# KiCad board smoothiev2-prime.kicad_pcb (continued)
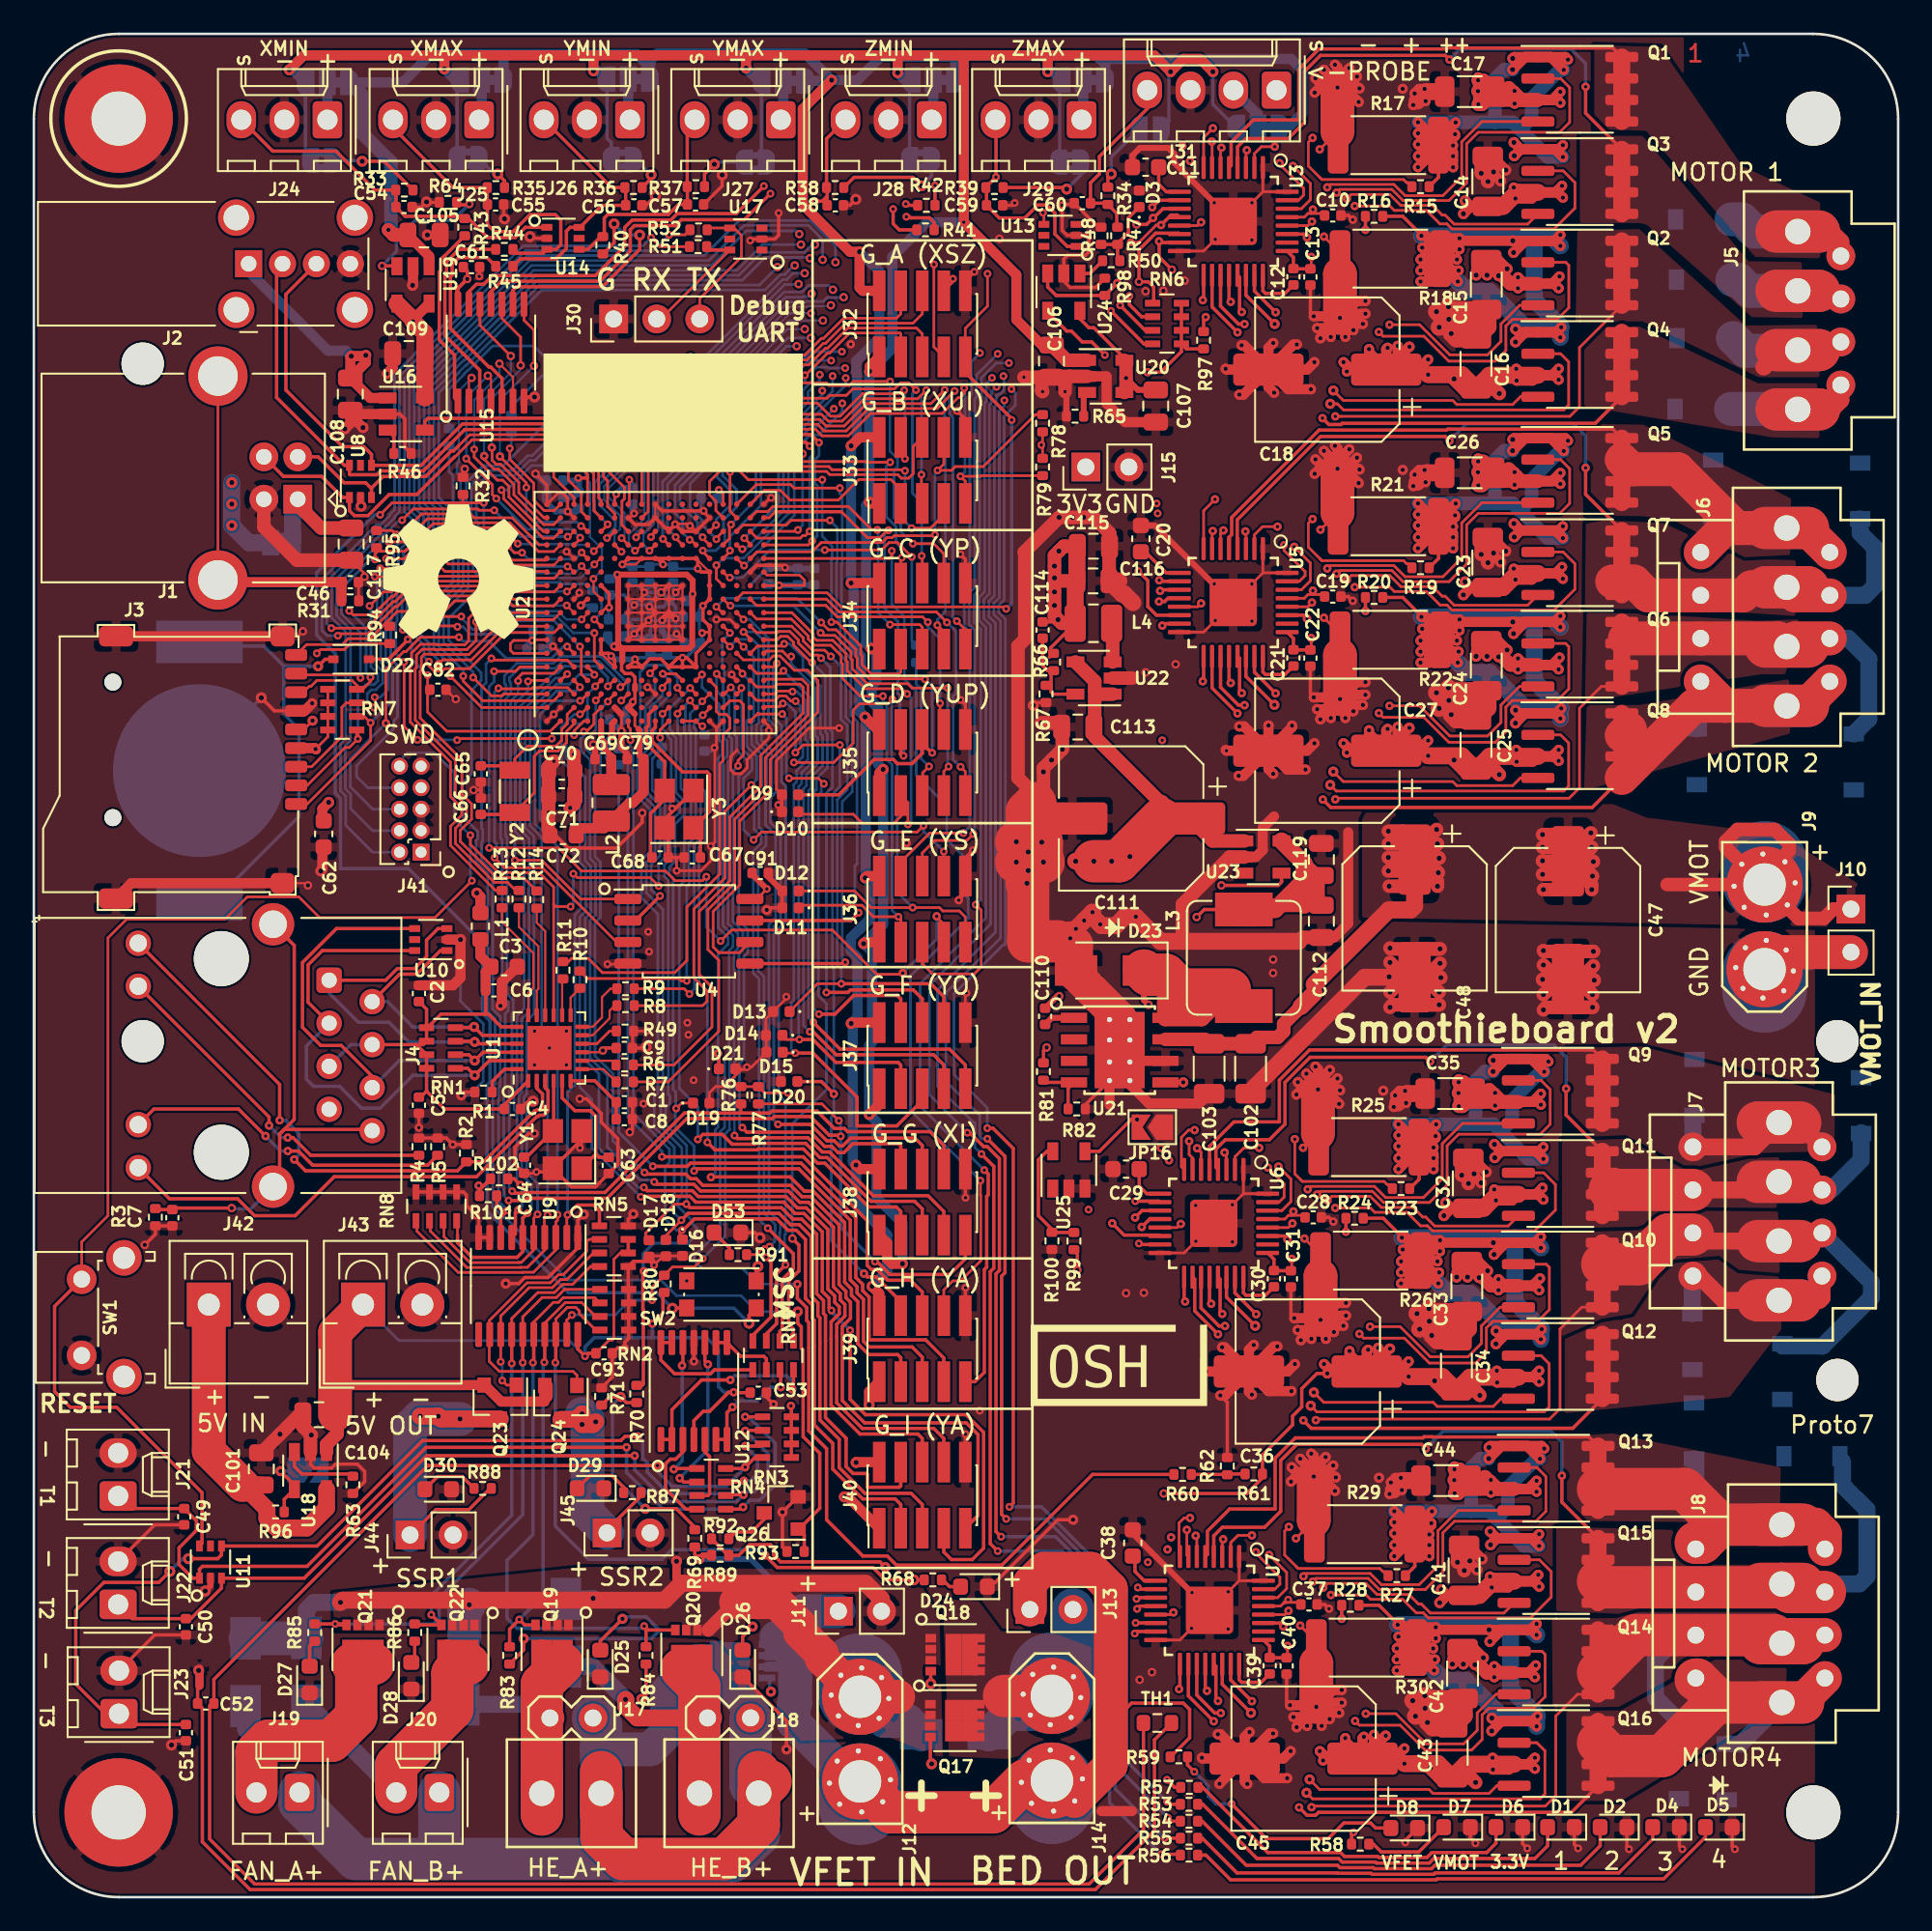
[diagram p0: board, top side]
## Routing (per net, layer and track width the routed paths; a pad name or vN(x,y) marks a point on that pad's centre or on a via; arc(x,y) is an arc through that point) (continued)
Net-(C20-Pad1): length 2.8
  Top w0.2: U5.9 66.82,78.18 65.58,79.42 C20.1
Net-(C22-Pad2): length 3
  Top w0.2: U5.24 72.52,72.33 72.67,72.18 73.82,72.18 C22.2
Net-(C29-Pad1): length 2.4
  Top w0.2: C29.1 65.22,41.98 65.67,41.53 U6.9
Net-(C31-Pad2): length 3
  Top w0.2: U6.24 71.37,35.68 71.52,35.53 72.67,35.53 C31.2
Net-(C38-Pad1): length 2.4
  Top w0.2: U7.9 65.51,18.68 64.97,19.22 64.97,20.13
Net-(C40-Pad2): length 3
  Top w0.2: U7.24 71.12,12.83 71.27,12.68 72.42,12.68 C40.2
Net-(C46-Pad1): length 45.6
  Top w0.16: J1.5 J1.5
  Top w0.6: J1.5 10.99,77.63 C46.1 18.15,77.59 R31.1
  In1.Cu w0.2: 19.29,99.15 12.29,99.15 10.92,97.78 10.92,95.08 12.29,93.71 12.29,91.23 J1.5
  In2.Cu w0.2: 19.29,93.71 12.29,93.71
Net-(C49-Pad1): length 57.2
  Top w0.2: v3(41.97,28.36) 42.99,28.36 ; v3(34.97,26.56) 23.14,26.56 16.12,19.53 9.95,19.53 9.77,19.35 U11.1 9.37,18.83 8.56,19.64 8.56,20.62 9.59,21.65 9.59,22.22 C49.1 5.71,22.94 J21.1 ; RN4.1 41.72,22.91 v3(41.85,23.03)
  Bottom w0.2: v3(41.97,28.36) 42.17,28.36 43.74,26.78 43.74,24.36 42.82,23.43 42.24,23.43 v3(41.85,23.03) 41.72,22.91 37.14,22.91 34.97,25.07 v3(34.97,26.56)
Net-(C50-Pad1): length 50.7
  Top w0.2: v3(41.87,23.75) 40.87,23.75 RN4.2 ; 42.99,27.56 41.99,27.56 v3(41.97,27.53) ; J22.1 5.81,16.44 C50.1 9.26,16.44 11.07,18.25 U11.3 15.95,18.83 23.18,26.06 v3(35.45,26.06)
  Bottom w0.2: v3(35.45,26.06) 35.45,25.22 37.32,23.36 41.47,23.36 v3(41.87,23.75) 42.05,23.93 42.49,23.93 43.32,24.75 43.32,26.18 v3(41.97,27.53)
Net-(C51-Pad1): length 63.6
  Top w0.2: v3(41.89,24.58) 41.82,24.5 RN4.3 ; C51.1 5.66,10.19 J23.1 4.22,10.83 2.47,12.58 2.47,16.92 4.13,18.58 7.37,18.58 v2(8.02,19.23) ; 42.99,26.75 42.87,26.63 v3(41.97,26.63) ; v2(9.12,19.98) 10.84,19.98 11.07,20.2 U11.4 16.71,20.73 22.94,26.96 34.63,26.96 34.88,27.2 v3(35.64,27.2)
  Bottom w0.2: v2(9.12,19.98) 8.77,19.98 v2(8.02,19.23) ; v3(35.64,27.2) 35.93,26.92 35.93,25.89 36.2,25.63 36.2,25.08 37.45,23.83 41.14,23.83 v3(41.89,24.58) 42.3,24.58 42.7,24.98 42.7,25.91 v3(41.97,26.63)
Net-(C52-Pad1): length 113.3
  Top w0.2: TH1.1 65.47,3.98 62.26,0.77 13.03,0.77 10.37,3.43 10.37,11.31 ; v3(36.8,25.48) 23.25,25.48 10.62,12.85 C52.1 ; RN4.4 41.89,25.31 v3(41.97,25.38) 42.55,25.95 42.99,25.95
  Bottom w0.2: v3(36.8,25.48) 36.8,25.13 37.66,24.26 40.85,24.26 v3(41.97,25.38)
Net-(C52-Pad2): length 74.9
  Top w0.2: TH1.2 66.12,9.28 66.12,3.93 62.63,0.44 12.76,0.44 9.94,3.26 9.94,11.15 C52.2 9.66,12.37 NT11.1
Net-(C54-Pad1): length 21.7
  Top w0.2: U14.1 29,98.58 28.4,97.98 26.77,97.98 25.52,99.23 21.91,99.23 C54.1 21.36,100.77 R33.2 20.12,100.78 17.82,103.08 14.09,103.08 J24.3
Net-(C55-Pad1): length 19.3
  Top w0.2: J25.3 21.19,104.46 24.72,100.93 R35.2 26.75,99.94 C55.1 26.76,98.74 27.17,98.33 28.27,98.33 29.27,99.33 30.77,99.33 31.09,99.01 31.09,97.55 30.82,97.28 U14.3 30.04,97.05 28.5,97.05 R44.2
Net-(C56-Pad1): length 16.2
  Top w0.2: R45.2 28.71,96.72 30.81,96.72 31.42,97.33 31.42,98.36 31.64,98.58 U14.6 32.22,98.58 33.52,99.88 C56.1 34.92,100.88 R36.2 34.09,100.93 J26.3
Net-(C57-Pad1): length 13.2
  Top w0.2: J27.3 38.55,104.49 R37.2 38.56,100.97 C57.1 38.03,99.93 37.44,99.34 33.87,99.34 33.66,99.13 33.66,98.24 32.7,97.28 U14.4
Net-(C58-Pad1): length 24.1
  Top w0.16: v5(59.54,99.44) 59.6,99.38 U13.4
  Top w0.2: R41.2 53.12,98.87 52.85,99.14 51.73,99.14 51.67,99.21 v5(51.48,99.21) ; v5(46.11,100.12) 46.51,100.12 46.81,100.42 ; 46.81,100.42 46.81,100.89 R38.2 46.77,103.81 J28.3 ; 46.81,100.42 C58.1
  In2.Cu w0.2: v5(59.54,99.44) 57.76,99.44 56.65,100.55 52.94,100.55 51.6,99.21 v5(51.48,99.21) 51.48,99.2 50.29,99.2 49.82,99.67 46.56,99.67 v5(46.11,100.12)
Net-(C59-Pad1): length 18.1
  Top w0.2: R42.2 v5(53.17,101.05) ; 61.49,97.45 60.97,97.45 60.24,98.18 60.24,99.42 59.76,99.9 59.24,99.9 58.47,99.13 56.96,99.13 C59.1 56.21,100.89 R39.2 56.17,100.95 v5(56.77,101.55) 56.77,104.9 J29.3
  In2.Cu w0.2: v5(56.77,101.55) 56.14,100.92 53.3,100.92 v5(53.17,101.05)
Net-(C60-Pad1): length 10.7
  Top w0.2: J31.4 65.7,105.59 62.87,102.75 62.87,101.73 62.35,101.2 62.35,100 63.3,100 R34.2 63.89,99.41 63.89,98.59
Net-(C63-Pad1): length 7.7
  Top w0.2: C63.1 33.33,43.68 33.15,43.86 ; 33.15,43.86 33.15,46.11 32.83,46.43 31.92,46.43 31.17,47.18 U1.5 ; 33.15,43.86 Y1.1
Net-(C64-Pad1): length 5.3
  Top w0.2: C64.1 29.08,43.69 Y1.3 30.67,45.28 U1.4
Net-(C69-Pad1): length 4
  Top w0.35: C69.1 34.07,67.38 33.66,67.79 33.66,68.17 33.47,68.35 U2.E1
  Top w0.6: L2.2 C69.1
Net-(C110-Pad1): length 21.4
  Top w0.35: C110.1 60.38,53.19 v4(60.5,53.19) ; v4(65.77,52.68) 65.49,52.95 D23.1
  Top w1: 66.77,54.45 U21.8 68.9,51.91 70.57,53.58
  Top w2.5: 70.57,53.58 67.64,53.58 66.77,54.45 65.74,54.45 D23.1
  In2.Cu w0.35: v4(65.77,52.68) 65.17,53.28 60.59,53.28 v4(60.5,53.19)
Net-(C110-Pad2): length 1.9
  Top w0.35: U21.1 60.06,51.91 C110.2
Net-(C112-Pad1): length 35.6
  Top w0.2: v4(59.76,50.16) 59.57,49.97 R81.1 ; v4(68.61,57.86) 69.05,58.31 71.39,58.31
  Top w0.8: 71.39,58.31 71.64,58.56 C112.1 75.77,58.75 75.77,60.2 74.76,61.22
  Top w1: U23.5 74.95,61.03 74.95,60 ; 71.39,58.31 73.24,58.31 74.95,60 ; 74.95,60 74.95,58.56
  Top w2: 71.39,58.31 72.16,58.31
  In2.Cu w0.2: v4(68.61,57.86) 68.13,57.86 64.62,54.36 60.14,54.36 59.52,53.73 59.52,50.4 v4(59.76,50.16)
Net-(C114-Pad1): length 5.3
  Top w0.2: 60.02,71.5 59.98,71.54 R67.1 ; 60.02,71.5 60.02,71.16 60.16,71.02 U22.5 ; 60.02,71.5 60.02,72.23 59.99,72.25 ; C114.1 59.52,72.7 59.82,72.41 R66.2
Net-(C117-Pad1): length 6.7
  Top w0.8: J1.1 15.57,82.2 16.95,80.83 C117.1
  Bottom w1: JP17.1 15.26,82.22 J1.1
Net-(D1-Pad2): length 23.6
  Top w0.2: D1.2 89.32,3.03 88.57,2.28 82.6,2.28 82.33,2.01 79.23,2.01 79.17,2.07 77.2,2.07 76.99,2.28 72.17,2.28 68.97,5.48 R53.2
Net-(D2-Pad2): length 26.6
  Top w0.2: D2.2 92.42,3.03 91.27,1.88 82.67,1.88 82.47,1.68 79.09,1.68 79.03,1.74 77.06,1.74 76.92,1.88 71.54,1.88 68.94,4.48 R54.2
Net-(D3-Pad1): length 4.7
  Top w0.2: 63.97,96.61 63.95,96.63 R47.1 63.95,97.63 64.59,98.27 64.59,99.15 D3.1 ; 63.89,97.57 62.93,97.57 62.92,97.59
Net-(D4-Pad2): length 29.3
  Top w0.2: D4.2 95.52,3.43 93.52,1.43 82.69,1.43 82.61,1.35 78.95,1.35 78.89,1.41 76.92,1.41 76.9,1.43 70.99,1.43 68.94,3.48 R55.2
Net-(D5-Pad2): length 32.2
  Top w0.2: D5.2 98.63,3.54 96.17,1.08 82.8,1.08 82.74,1.02 70.61,1.02 69.15,2.48 R56.2
Net-(D6-Pad2): length 20.6
  Top w0.2: D6.2 86.27,3.18 85.72,2.63 82.49,2.63 82.2,2.34 79.36,2.34 79.3,2.4 77.33,2.4 77.1,2.63 72.81,2.63 68.96,6.48 R57.2
Net-(D7-Pad2): length 5.2
  Top w0.2: R58.2 79.04,3.13 79.5,2.67 81.72,2.67 D7.2
Net-(D8-Pad2): length 15.2
  Top w0.2: v5(70.67,5.5) 72.72,3.46 76.37,3.46 77.3,4.38 78.87,4.38 79.17,4.08 D8.2 ; R59.2 68.07,7.81 v5(68.47,7.41)
  Bottom w0.2: v5(68.47,7.41) 69.3,6.58 69.3,5.96 69.74,5.5 v5(70.67,5.5)
Net-(D24-Pad2): length 1.4
  Top w0.2: 53.63,18.73 54.03,18.33 54.83,18.33
Net-(D25-Pad2): length 15
  Top w0.2: D25.2 33.42,15.12 v1(34.73,16.43) ; v1(28.9,15.26) 28.9,14.59 R83.1
  Bottom w0.2: v1(34.73,16.43) 34.85,16.55 36.12,16.55 36.92,15.75 36.43,15.26 v1(28.9,15.26)
Net-(D26-Pad2): length 12.4
  Top w0.2: R84.1 36.12,11.97 v1(35.85,11.7) ; v1(42.41,15.97) 41.82,15.38 D26.2
  In2.Cu w0.2: v1(42.41,15.97) 42.41,15.52 38.59,11.7 v1(35.85,11.7)
Net-(D27-Pad2): length 1.6
  Top w0.2: R85.1 16.27,14.81 D27.2
Net-(D28-Pad2): length 1.3
  Top w0.2: R86.1 22.47,14.06 D28.2
Net-(D29-Pad2): length 3.7
  Top w0.2: 32.05,24.13 32.81,24.89 34.11,24.89 34.8,24.2 R87.2
Net-(D30-Pad2): length 3.6
  Top w0.2: 25.97,24.18 R88.2 25.27,24.83 23.82,24.83 D30.2
Net-(D48-Pad1): length 17.4
  Top w1: Q19.5 29.96,13.47 Q19.5 ; 29.97,12.56 30.45,12.08 J17.2
  Top w2.5: Q19.5 29.97,12.56 J17.2
  Bottom w1: D48.1 29.64,11.38 J17.2
Net-(D50-Pad1): length 21.8
  Top w1: Q20.5 39.43,13.17 Q20.5 39.75,12.29 J18.2 35.6,10.58 34.92,11.26 34.92,11.66 v2(34.91,11.67)
  Top w2.5: Q20.5 39.27,12.41 39.27,6.13
  Bottom w1: D50.1 32.97,13.61 v2(34.91,11.67)
Net-(D51-Pad1): length 18.9
  Top w2.5: Q21.5 Q21.5 19.02,13.56 19.02,10.68 17.57,9.23 13.82,9.23 13.13,8.54 J19.2
  Bottom w1: D51.1 12.49,9.92 13.13,9.28 J19.2
Net-(D52-Pad1): length 17.9
  Top w1: Q22.5 Q22.5
  Top w2.5: Q22.5 25.27,13.77 Q22.5 24.69,11.1 21.38,7.79 J20.2
  Bottom w1: D52.1 16.26,11.3 J20.2
Net-(D53-Pad2): length 1.7
  Top w0.2: D53.2 41.04,38.33 R91.2
Net-(J4-Pad1): length 23
  Top w0.2: RN1.3 25.97,50.53 v1(26.01,50.49) 26.12,50.38 U1.21 ; J4.1 20.75,54.13 21.44,54.82 22.46,54.82 23.17,55.53 23.17,56.5 23.84,57.18 U10.3
  Bottom w0.2: J4.1 17.42,53.38 19.15,51.65 20.95,51.65 22.11,50.49 v1(26.01,50.49)
Net-(J4-Pad2): length 16.1
  Top w0.2: U10.1 23.99,55.88 22.6,54.49 21.58,54.49 J4.2 ; RN1.4 25.93,51.33 v1(25.98,51.37) 26.47,50.88 U1.20
  Bottom w0.2: v1(25.98,51.37) 22.36,51.37 20.86,52.87 J4.2
Net-(J4-Pad3): length 30
  Top w0.2: RN1.1 25.6,48.93 v1(26.01,48.52) 26.87,49.38 U1.23 ; U10.6 17.02,55.88 16.18,55.04 16.18,52.83 J4.3
  Bottom w0.2: v1(26.01,48.52) 22.37,48.52 20.43,46.58 19.33,46.58 18.04,47.87 16.5,47.87 16.08,48.29 16.08,50.25 J4.3
Net-(J4-Pad6): length 27.9
  Top w0.2: RN1.2 25.67,49.73 v1(26.01,49.39) 26.5,49.88 U1.22 ; J4.6 19.96,48.46 18.14,50.28 16.92,50.28 15.85,51.35 15.85,55.18 17.85,57.18 U10.4
  Bottom w0.2: v1(26.01,49.39) 21.56,49.39 J4.6
Net-(J4-Pad10): length 21
  Top w0.2: R4.2 16.33,43.8 15.29,44.84 v3(14.98,44.84) ; v3(13.87,45.55) 13.87,46.06 J4.10
  Bottom w0.2: v3(13.87,45.55) 14.59,44.84 v3(14.98,44.84)
Net-(J4-Pad11): length 19.7
  Top w0.2: 6.16,45.61 7.09,46.53 12.07,46.53 v3(13.67,44.93) ; R5.2 23.24,43.21 16.45,43.21 15.61,44.05 v3(14.98,44.05)
  Bottom w0.2: v3(14.98,44.05) 14.55,44.05 v3(13.67,44.93)
Net-(J17-Pad1): length 81.7
  Top w2.5: 33.49,6.1 33.49,3.53 34.77,2.25 40.77,2.25 42.77,4.25 42.77,6.13 43.46,6.83
  Bottom w2: 40.82,14.03 40.82,12.61 42.29,11.14 J18.1 ; Q25.5 39.17,13.93 37.37,12.13 37.37,9.73 36.37,8.73 33.47,8.73
  Bottom w2.5: 34.57,2.13 33.47,3.23 J17.1 33.47,10.09 J17.1 ; 34.57,2.13 34.45,2.25 23.24,2.25 ; 34.57,2.13 41.22,2.13 42.77,3.68 42.77,6.13 42.29,6.62 J18.1 ; J20.1 23.92,2.93 23.24,2.25 ; 23.24,2.25 19,2.25 15.67,5.58 J19.1
Net-(J24-Pad1): length 2.2
  Bottom w0.6: JP1.2 J24.1
Net-(J25-Pad1): length 2.4
  Bottom w0.6: JP2.2 26.42,105.08 J25.1
Net-(J26-Pad1): length 2.4
  Bottom w0.6: JP3.2 35.07,105.03 J26.1
Net-(J27-Pad1): length 2.4
  Bottom w0.6: J27.1 44.22,105.08 JP4.2
Net-(J28-Pad1): length 2.4
  Bottom w0.6: JP5.2 53.07,105.03 J28.1
Net-(J29-Pad1): length 2.4
  Bottom w0.6: J29.1 61.92,105.03 JP6.2
Net-(J30-Pad2): length 7.4
  Top w0.16: U17.6 36.99,93.17 J30.2
  Top w0.2: R51.2 39.9,97.24 U17.6
Net-(J30-Pad3): length 8.2
  Top w0.16: R52.2 39.84,98.54 U17.4 41.31,98.54 41.75,98.1 41.75,96.83 39.29,94.37 J30.3
Net-(J31-Pad2): length 2.8
  Bottom w0.6: J31.2 72.22,105.24 JP8.2
Net-(J44-Pad1): length 20.4
  Top w0.2: J44.1 22.22,21.38 23.72,22.88 25.67,22.88 26.92,24.13 R88.1
  Top w1: Q23.3 v2(25.14,28.23) 24.02,28.23 v2(23.86,28.39) v2(22.79,28.39)
  Bottom w2: J44.1 22.2,27.8 v2(22.79,28.39) 22.95,28.23 v2(25.14,28.23)
Net-(J45-Pad1): length 13.7
  Top w0.2: R87.1 35.82,23.68 33.82,21.68 J45.1
  Top w1: v2(33.15,28.06) 32.99,27.91 v2(32.35,27.91) v2(32.35,28.53) 32.02,28.2 Q24.3
  Bottom w2: v2(32.35,28.53) 32.67,28.21 32.67,22.66 J45.1
Net-(JP7-Pad2): length 4.2
  Top w0.2: v2(63.57,101.73) 63.37,101.53 R34.1
  Bottom w0.2: JP7.2 63.57,102.73 v2(63.57,101.73)
Net-(JP9-Pad2): length 5.5
  Top w0.2: R33.1 20.67,102.48 v2(19.37,102.48)
  Bottom w0.2: v2(19.37,102.48) 19.32,102.53 JP9.2
Net-(JP10-Pad2): length 2.4
  Top w0.2: R35.1 27.77,101.33 v2(27.37,101.73)
  Bottom w0.2: JP10.2 27.17,101.73 v2(27.37,101.73)
Net-(JP11-Pad2): length 2.4
  Top w0.2: R36.1 36.42,101.46 v2(36.42,101.68)
  Bottom w0.2: v2(36.42,101.68) 35.52,102.58 JP11.2
Net-(JP12-Pad2): length 3.4
  Top w0.2: R37.1 39.57,101.72 v2(40.15,102.3)
  Bottom w0.2: JP12.2 40.28,102.43 v2(40.15,102.3)
Net-(JP13-Pad2): length 6.8
  Top w0.2: v2(52.37,101.03) 51.87,101.53 48.39,101.53 R38.1
  Bottom w0.2: JP13.2 52.97,101.63 v2(52.37,101.03)
Net-(JP14-Pad2): length 5.7
  Top w0.2: v2(60.94,100.84) 60.85,100.93 R39.1
  Bottom w0.2: v2(60.94,100.84) 61.77,101.66 JP14.2
Net-(JP15-Pad1): length 3.9
  Top w0.2: v1(14.55,25.15) 15.37,24.33 U18.4 14.77,23.48 R96.1
  Bottom w0.2: v1(14.55,25.15) 15.39,25.15 JP15.1
Net-(L4-Pad2): length 2.3
  Top w0.8: U22.3 63.66,75.14 L4.2
Net-(NT1-Pad1): length 8
  Top w0.16: v3(75.87,103.18) NT1.1 ; U3.28 75.17,98.68 v3(75.41,98.93)
  In2.Cu w0.16: v3(75.87,103.18) 75.62,102.93 75.62,100.7 75.94,100.38 75.94,99.1 75.77,98.93 v3(75.41,98.93)
Net-(NT2-Pad1): length 11.6
  Top w0.16: NT2.1 77.07,97.08 v3(76.12,98.03) ; v3(68.87,98.88) 68.67,98.68 U3.13
  In1.Cu w0.16: v3(68.87,98.88) 69.28,98.47 75.68,98.47 v3(76.12,98.03)
Net-(NT3-Pad1): length 7.9
  Top w0.16: U5.28 75.17,76.18 v3(75.41,76.43) ; NT3.1 75.92,80.73 v3(75.92,80.73)
  In2.Cu w0.16: v3(75.41,76.43) 75.77,76.43 75.94,76.6 75.94,77.88 75.67,78.15 75.67,80.48 v3(75.92,80.73)
Net-(NT4-Pad1): length 11.6
  Top w0.16: v3(76.12,75.53) 77.07,74.58 NT4.1 ; U5.13 68.67,76.18 v3(68.87,76.38)
  In1.Cu w0.16: v3(76.12,75.53) 75.68,75.97 69.28,75.97 v3(68.87,76.38)
Net-(NT5-Pad1): length 7.9
  Top w0.16: U6.28 74.02,39.53 v3(74.26,39.78) ; NT5.1 74.93,44.24 v3(74.89,44.24)
  In2.Cu w0.16: v3(74.89,44.24) 74.64,43.99 74.64,41.38 74.79,41.23 74.79,39.95 74.62,39.78 v3(74.26,39.78)
Net-(NT6-Pad1): length 11.6
  Top w0.16: v3(74.97,38.88) 75.92,37.93 NT6.1 ; v3(67.67,39.74) 67.46,39.53 U6.13
  In1.Cu w0.16: v3(74.97,38.88) 74.53,39.32 68.1,39.32 v3(67.67,39.74)
Net-(NT7-Pad1): length 7.8
  Top w0.16: v3(74.47,21.18) NT7.1 ; v3(74.03,16.9) 73.81,16.68 U7.28
  In2.Cu w0.16: v3(74.47,21.18) 74.22,20.93 74.22,18.7 74.54,18.38 74.54,17.41 v3(74.03,16.9)
Net-(NT8-Pad1): length 11.5
  Top w0.16: v3(74.72,16.03) 75.67,15.08 NT8.1 ; U7.13 67.11,16.68 v3(67.24,16.81)
  In1.Cu w0.16: v3(67.24,16.81) 67.61,16.44 73.95,16.44 74.37,16.03 v3(74.72,16.03)
Net-(Q1-Pad1): length 49.1
  Top w0.2: v1(81.67,102.13) 81.67,102.22 R17.1 82.88,101.53 R15.1
  Top w0.6: 83.32,103.43 83.86,103.97 v1(83.86,104.08) ; 83.32,103.43 R17.1 ; 83.32,103.43 83.74,103.01 v1(83.74,102.78) ; v1(81.67,103.48) 81.72,103.43 R17.1 ; v1(83.74,103.41) 83.72,103.43 R17.1 ; 88.74,108.63 89.51,108.63 v1(90.27,107.88) ; 88.74,108.63 90.36,108.63 v1(90.52,108.48) ; 88.74,108.63 87.99,108.63 v2(87.25,107.89) ; 88.74,108.63 87.35,108.63 v2(87.26,108.55) ; R17.1 82.32,103.43 v1(81.67,102.78) ; R17.1 82.37,103.43 v1(81.67,104.13) ; R17.1 82.88,103.76 v1(83.89,104.77) ; R17.1 82.88,103.57 v1(81.67,104.78) ; R17.1 82.88,103.34 v1(81.67,102.13) ; R17.1 83.74,102.57 v1(83.74,102.12) ; 87.73,103.19 v2(87.33,103.59) ; 87.73,103.19 v2(87.35,102.8) ; 87.73,103.19 Q3.1 ; Q3.1 89.77,103.19 v1(90.22,102.73) ; Q3.1 89.98,103.19 v1(90.22,103.43)
  Bottom w0.8: v1(90.22,102.73) 89.32,102.73 87.7,104.36 ; v1(90.27,107.88) 90.06,107.88 88.38,106.2 88.38,105.04 87.7,104.36 ; 86.21,104.78 v1(81.67,104.78) ; 86.21,104.78 86.21,107.34 86.76,107.89 v2(87.25,107.89) ; 86.21,104.78 87.27,104.78 87.7,104.36
Net-(Q1-Pad2): length 31.3
  Top w0.16: v3(76.87,100.63) 77.06,100.82 80.13,100.82 80.79,100.16 83.5,100.16 84.54,101.2 84.54,103.51 85.22,104.19 90.03,104.19 90.62,104.78 90.62,106.83 90.08,107.37 Q1.2 ; v3(70.07,103.28) 70.02,103.23 U3.6
  In1.Cu w0.16: v3(70.07,103.28) 70.59,103.8 74.16,103.8 76.87,101.09 v3(76.87,100.63)
Net-(Q1-Pad4): length 22.3
  Top w0.16: U3.2 72.02,102.93 72.43,103.34 v3(73.22,103.34) ; v3(76.31,100.94) 76.48,101.11 80.25,101.11 80.91,100.45 83.14,100.45 84.25,101.56 84.25,103.63 85.44,104.83 Q1.4
  In1.Cu w0.16: v3(76.31,100.94) 76.31,101.23 74.21,103.34 v3(73.22,103.34)
Net-(Q2-Pad1): length 60.3
  Top w0.2: R16.1 80.77,99.23 82.99,97 82.99,96.73
  Top w0.6: v2(87.43,92.57) 87.61,92.38 Q4.1 ; 82.32,95.38 82.32,97.88 82.12,98.08 v1(81.87,98.08) ; 82.32,95.38 v1(81.82,95.38) ; 82.32,95.38 82.62,95.38 82.99,95.75 82.99,96.73 ; 82.99,96.73 82.99,97.7 83.22,97.93 v1(84.12,97.93) 84.27,97.78 v2(87.27,97.78) Q2.1 ; 82.99,96.73 83.07,96.73 83.77,97.43 83.97,97.43 v1(84.12,97.28) ; 82.99,96.73 83.7,96.03 v1(84.07,96.03) ; 82.99,96.73 82.52,96.73 v1(81.82,96.03) ; 82.99,96.73 81.87,96.73 v1(81.82,96.68) ; 82.99,96.73 82.37,96.11 82.37,96.93 v1(81.92,97.38) ; 82.99,96.73 82.99,96.41 v1(84.02,95.38) ; 82.99,96.73 83.92,96.73 v1(83.97,96.68) ; Q4.1 89.83,92.38 v1(90.12,92.68) ; Q4.1 87.99,92.38 v2(87.42,91.81) ; Q4.1 89.77,92.38 v1(90.07,92.08) ; Q2.1 89.77,97.78 v1(90.07,97.48) ; Q2.1 89.73,97.78 v1(90.07,98.13) ; Q2.1 88.01,97.78 v2(87.31,97.09)
  Bottom w1: v1(90.12,92.68) 88.01,92.68 85.89,94.8 84.6,94.8 v1(84.02,95.38) ; v1(90.07,97.48) 89.47,98.08 88.53,98.08 ; 88.53,98.08 88.53,94.29 90.07,92.75 v1(90.07,92.08) ; 88.53,98.08 v1(81.87,98.08)
Net-(Q2-Pad2): length 32.5
  Top w0.16: v3(79.36,92.4) 79.61,92.15 82.02,92.15 83.49,90.68 86.23,90.68 86.85,91.3 86.85,92.75 87.25,93.15 89.89,93.15 90.57,93.83 90.57,96.33 90.39,96.52 Q2.2
  Top w0.2: U3.19 70.02,93.93 71.08,92.87 v3(71.43,92.87)
  In1.Cu w0.2: v3(79.36,92.4) 79.21,92.25 78.39,92.25 77.64,91.5 75.47,91.5 75.38,91.59 75.38,92.05 75.19,92.24 75.19,92.51 73.62,94.08 72.65,94.08 v3(71.43,92.87)
Net-(Q2-Pad4): length 23
  Top w0.16: v3(79.99,92.83) 81.77,92.83 83.55,91.05 85.77,91.05 86.56,91.84 86.56,92.87 87.67,93.97 Q2.4
  Top w0.2: v3(73.27,93.57) 72.02,94.82 U3.23
  In1.Cu w0.2: v3(79.99,92.83) 79.99,92.31 79.6,91.92 78.53,91.92 77.78,91.17 75.33,91.17 75.05,91.45 75.05,91.92 73.4,93.57 v3(73.27,93.57)
Net-(Q3-Pad2): length 30.8
  Top w0.16: U3.7 69.52,103.63 v3(69.5,103.64) ; Q3.2 90.23,101.91 90.93,101.22 90.93,99.71 89.7,98.48 83.68,98.48 83.38,98.78 ; 83.38,98.78 82.97,98.78 82.17,99.58 80.27,99.58 80.01,99.84 v3(77.94,99.84) ; 83.38,98.78 83.34,98.78
  In1.Cu w0.16: v3(77.94,99.84) 78.19,100.09 78.19,100.54 77.18,101.54 76.82,101.54 74.28,104.09 69.95,104.09 v3(69.5,103.64)
Net-(Q3-Pad4): length 21.2
  Top w0.16: v3(71.57,103.13) 71.52,103.08 U3.3 ; v3(77.48,100.27) 77.73,100.52 80,100.52 80.66,99.87 82.53,99.87 83.1,99.3 83.27,99.3 83.8,98.77 88.14,98.77 Q3.4
  In1.Cu w0.16: v3(77.48,100.27) 77.23,100.02 76.3,100.02 74.83,101.49 74.83,102.31 74.26,102.88 71.82,102.88 v3(71.57,103.13)
Net-(Q4-Pad2): length 31.4
  Top w0.16: v1(76.49,88.16) 76.91,88.16 77.27,87.8 90.27,87.8 90.56,88.09 90.56,90.64 90.08,91.12 Q4.2
  Top w0.2: U3.18 69.52,93.88 v3(71.02,92.38)
  In1.Cu w0.2: v1(76.49,88.16) 76.07,88.58 76.07,89.27 75.79,89.55 74.68,89.55 73.66,90.57 73.66,92 73.38,92.28 71.12,92.28 v3(71.02,92.38)
Net-(Q4-Pad4): length 22.1
  Top w0.16: v1(76.67,88.95) 77.26,88.36 83.72,88.36 83.96,88.12 87.26,88.12 87.71,88.58 Q4.4
  Top w0.2: U3.22 71.52,94.57 v1(73.21,92.87)
  In1.Cu w0.2: v1(76.67,88.95) 76.67,89.65 76.23,90.09 75.26,90.09 73.99,91.36 73.99,92.14 73.25,92.87 v1(73.21,92.87)
Net-(Q5-Pad1): length 49.1
  Top w0.2: v1(81.67,79.63) 81.67,79.72 R21.1 82.88,79.03 R19.1
  Top w0.6: v1(81.67,80.98) 81.72,80.93 R21.1 ; R21.1 83.32,80.93 ; R21.1 82.88,80.84 v1(81.67,79.63) ; R21.1 82.32,80.93 v1(81.67,80.28) ; R21.1 82.37,80.93 v1(81.67,81.63) ; R21.1 82.88,81.07 v1(81.67,82.28) ; R21.1 82.88,81.26 v1(83.89,82.27) ; R21.1 83.74,80.07 v1(83.74,79.62) ; R21.1 83.72,80.93 v1(83.74,80.91) ; 83.32,80.93 83.86,81.47 v1(83.86,81.58) ; 83.32,80.93 83.74,80.51 v1(83.74,80.28) ; v1(90.22,80.93) 89.98,80.69 Q7.1 ; Q7.1 89.77,80.69 v1(90.22,80.23) ; Q7.1 87.73,80.69 ; v1(90.27,85.38) 89.51,86.13 88.74,86.13 ; 88.74,86.13 90.36,86.13 v1(90.52,85.98) ; 88.74,86.13 87.35,86.13 v2(87.26,86.05) ; 88.74,86.13 87.99,86.13 v2(87.25,85.39) ; 87.73,80.69 v2(87.35,80.3) ; 87.73,80.69 v2(87.33,81.09)
  Bottom w0.8: v1(90.22,80.23) 89.32,80.23 87.7,81.86 ; v2(87.25,85.39) 86.76,85.39 86.21,84.84 86.21,82.28 ; 86.21,82.28 v1(81.67,82.28) ; 86.21,82.28 87.27,82.28 87.7,81.86 ; v1(90.27,85.38) 90.06,85.38 88.38,83.7 88.38,82.54 87.7,81.86
Net-(Q5-Pad2): length 31.3
  Top w0.16: v3(76.87,78.13) 77.06,78.32 80.13,78.32 80.79,77.66 83.5,77.66 84.54,78.7 84.54,81.01 85.22,81.69 90.03,81.69 90.62,82.28 90.62,84.33 90.08,84.87 Q5.2 ; U5.6 70.02,80.52 v3(70.19,80.69)
  In1.Cu w0.16: v3(70.19,80.69) 70.87,81.37 74.22,81.37 75.41,80.18 75.41,80.18 76.87,78.71 v3(76.87,78.13)
Net-(Q5-Pad4): length 22.4
  Top w0.16: Q5.4 85.44,82.33 84.25,81.13 84.25,79.06 83.14,77.95 80.91,77.95 80.25,78.61 76.48,78.61 v3(76.31,78.44) ; v3(73.38,80.91) 72.5,80.91 72.02,80.43 U5.2
  In1.Cu w0.16: v3(76.31,78.44) 75.12,79.64 75.12,80.06 74.27,80.91 v3(73.38,80.91)
Net-(Q6-Pad1): length 60.3
  Top w0.2: 82.99,74.23 82.99,74.5 80.77,76.73 R20.1
  Top w0.6: 82.99,74.23 82.99,75.2 83.22,75.43 v1(84.12,75.43) 84.27,75.28 v2(87.27,75.28) Q6.1 ; 82.99,74.23 82.99,73.91 v1(84.02,72.88) ; 82.99,74.23 83.7,73.53 v1(84.07,73.53) ; 82.99,74.23 83.07,74.23 83.77,74.93 83.97,74.93 v1(84.12,74.78) ; 82.99,74.23 83.92,74.23 v1(83.97,74.18) ; 82.99,74.23 81.87,74.23 v1(81.82,74.18) ; 82.99,74.23 82.52,74.23 v1(81.82,73.53) ; 82.99,74.23 82.37,73.61 82.37,74.43 v1(81.92,74.88) ; 82.99,74.23 82.99,73.25 82.62,72.88 82.32,72.88 ; 82.32,72.88 82.32,75.38 82.12,75.58 v1(81.87,75.58) ; 82.32,72.88 v1(81.82,72.88) ; v1(90.07,75.63) 89.73,75.28 Q6.1 ; Q6.1 89.77,75.28 v1(90.07,74.98) ; Q6.1 88.01,75.28 v2(87.31,74.59) ; v1(90.07,69.58) 89.77,69.89 Q8.1 ; Q8.1 89.83,69.89 v1(90.12,70.18) ; Q8.1 87.99,69.89 v2(87.42,69.31) ; Q8.1 87.61,69.89 v2(87.43,70.07)
  Bottom w1: v1(90.07,74.98) 89.47,75.58 88.53,75.58 ; v1(90.07,69.58) 90.07,70.25 88.53,71.79 88.53,75.58 ; 88.53,75.58 v1(81.87,75.58) ; v1(90.12,70.18) 88.01,70.18 85.89,72.3 84.6,72.3 v1(84.02,72.88)
Net-(Q6-Pad2): length 32.5
  Top w0.16: Q6.2 90.39,74.02 90.57,73.83 90.57,71.33 89.89,70.65 87.25,70.65 86.85,70.25 86.85,68.8 86.23,68.18 83.49,68.18 82.02,69.65 79.61,69.65 v3(79.36,69.9)
  Top w0.2: v3(71.43,70.37) 71.08,70.37 70.02,71.43 U5.19
  In1.Cu w0.2: v3(79.36,69.9) 79.21,69.75 78.39,69.75 77.64,69 75.47,69 75.38,69.09 75.38,69.55 75.19,69.74 75.19,70.01 73.62,71.58 72.65,71.58 v3(71.43,70.37)
Net-(Q6-Pad4): length 23
  Top w0.16: v3(79.99,70.33) 81.77,70.33 83.55,68.55 85.77,68.55 86.56,69.34 86.56,70.37 87.67,71.47 Q6.4
  Top w0.2: v3(73.27,71.07) 72.02,72.32 U5.23
  In1.Cu w0.2: v3(79.99,70.33) 79.99,69.81 79.6,69.42 78.53,69.42 77.78,68.67 75.33,68.67 75.05,68.95 75.05,69.42 73.4,71.07 v3(73.27,71.07)
Net-(Q7-Pad2): length 30.6
  Top w0.16: Q7.2 90.23,79.42 90.93,78.72 90.93,77.21 89.7,75.98 83.68,75.98 83.38,76.28 ; 83.38,76.28 83.34,76.28 ; 83.38,76.28 82.97,76.28 82.17,77.08 80.27,77.08 80.01,77.34 v3(77.94,77.34) ; v3(69.56,80.65) 69.52,80.61 U5.7
  In1.Cu w0.16: v3(77.94,77.34) 78.19,77.59 78.19,77.81 75.7,80.3 75.7,80.3 74.34,81.66 70.21,81.66 69.56,81.01 v3(69.56,80.65)
Net-(Q7-Pad4): length 21.3
  Top w0.16: Q7.4 88.14,76.27 83.8,76.27 83.27,76.8 83.1,76.8 82.53,77.37 80.66,77.37 80,78.02 77.73,78.02 v3(77.48,77.77) ; v3(71.49,80.63) 71.52,80.6 U5.3
  In1.Cu w0.16: v3(77.48,77.77) 77.23,77.52 76.3,77.52 74.83,78.99 74.83,79.91 74.36,80.38 71.74,80.38 v3(71.49,80.63)
Net-(Q8-Pad2): length 31.1
  Top w0.16: v1(76.49,65.66) 76.85,65.3 90.27,65.3 90.56,65.59 90.56,68.14 90.08,68.61 88.74,68.61
  Top w0.2: v3(71.02,69.88) 69.52,71.38 U5.18
  In1.Cu w0.2: v3(71.02,69.88) 71.12,69.78 73.16,69.78 73.38,69.55 73.38,68.5 74.78,67.1 75.74,67.1 76.07,66.77 76.07,66.08 v1(76.49,65.66)
Net-(Q8-Pad4): length 22.2
  Top w0.16: Q8.4 87.71,66.08 87.26,65.62 83.96,65.62 83.72,65.86 77.26,65.86 v1(76.67,66.45)
  Top w0.2: v1(73.2,70.39) 71.52,72.06 U5.22
  In1.Cu w0.2: v1(73.2,70.39) 73.71,69.87 73.71,68.91 75.03,67.59 76.23,67.59 76.67,67.15 v1(76.67,66.45)
Net-(Q9-Pad2): length 32
  Top w0.16: v3(75.72,41.48) 75.91,41.67 78.98,41.67 79.64,41.01 82.35,41.01 83.39,42.05 83.39,44.36 84.07,45.04 88.88,45.04 89.47,45.63 89.47,47.68 88.93,48.22 Q9.2 ; U6.6 68.87,43.98 v3(68.64,44.21)
  In1.Cu w0.16: v3(75.72,41.48) 75.72,42.27 74.48,43.52 74.48,43.59 73.38,44.69 69.12,44.69 v3(68.64,44.21)
Net-(Q9-Pad4): length 22.5
  Top w0.16: Q9.4 84.29,45.67 83.1,44.48 83.1,42.41 81.99,41.3 79.76,41.3 79.1,41.96 75.33,41.96 v3(75.16,41.79) ; U6.2 70.87,43.71 71.4,44.23 v3(72.3,44.23)
  In1.Cu w0.16: v3(72.3,44.23) 73.43,44.23 74.19,43.47 74.19,42.77 v3(75.16,41.79)
Net-(Q10-Pad1): length 60.3
  Top w0.2: R26.1 81.85,37.86 79.62,40.08 R24.1
  Top w0.6: R26.1 81.85,38.56 82.07,38.78 v1(82.97,38.78) 83.11,38.64 v2(86.11,38.64) Q10.1 ; R26.1 81.85,37.25 v1(82.87,36.23) ; R26.1 82.55,36.88 v1(82.92,36.88) ; R26.1 81.92,37.58 82.62,38.28 82.82,38.28 v1(82.97,38.13) ; R26.1 82.77,37.58 v1(82.82,37.53) ; R26.1 80.72,37.58 v1(80.67,37.53) ; R26.1 81.37,37.58 v1(80.67,36.88) ; R26.1 81.22,36.95 81.22,37.78 v1(80.77,38.23) ; R26.1 81.85,36.61 81.47,36.23 81.17,36.23 ; 81.17,36.23 81.17,38.73 80.97,38.93 v1(80.72,38.93) ; 81.17,36.23 v1(80.67,36.23) ; v1(88.92,38.98) 88.58,38.64 Q10.1 ; Q10.1 88.61,38.64 v1(88.92,38.33) ; Q10.1 86.86,38.64 v2(86.16,37.94) ; v1(88.92,32.93) 88.61,33.23 Q12.1 ; Q12.1 88.67,33.23 v1(88.97,33.53) ; Q12.1 86.85,33.23 v2(86.27,32.66) ; Q12.1 86.46,33.23 v2(86.28,33.42)
  Bottom w1: v1(88.92,38.33) 88.32,38.93 87.38,38.93 ; v1(88.92,32.93) 88.92,33.6 87.38,35.14 87.38,38.93 ; 87.38,38.93 v1(80.72,38.93) ; v1(88.97,33.53) 86.86,33.53 84.74,35.65 83.45,35.65 v1(82.87,36.23)
